# Altium PCB SmartCube.PcbDoc (part 2 of 2)
Units mm, origin at the board's own origin, x right, y up, seen from the top; angles counter-clockwise.
Board outline 65 x 65 mm, 2 copper layers (Top Layer, Bottom Layer); 92 components, 82 nets, 624 pads, 252 vias.
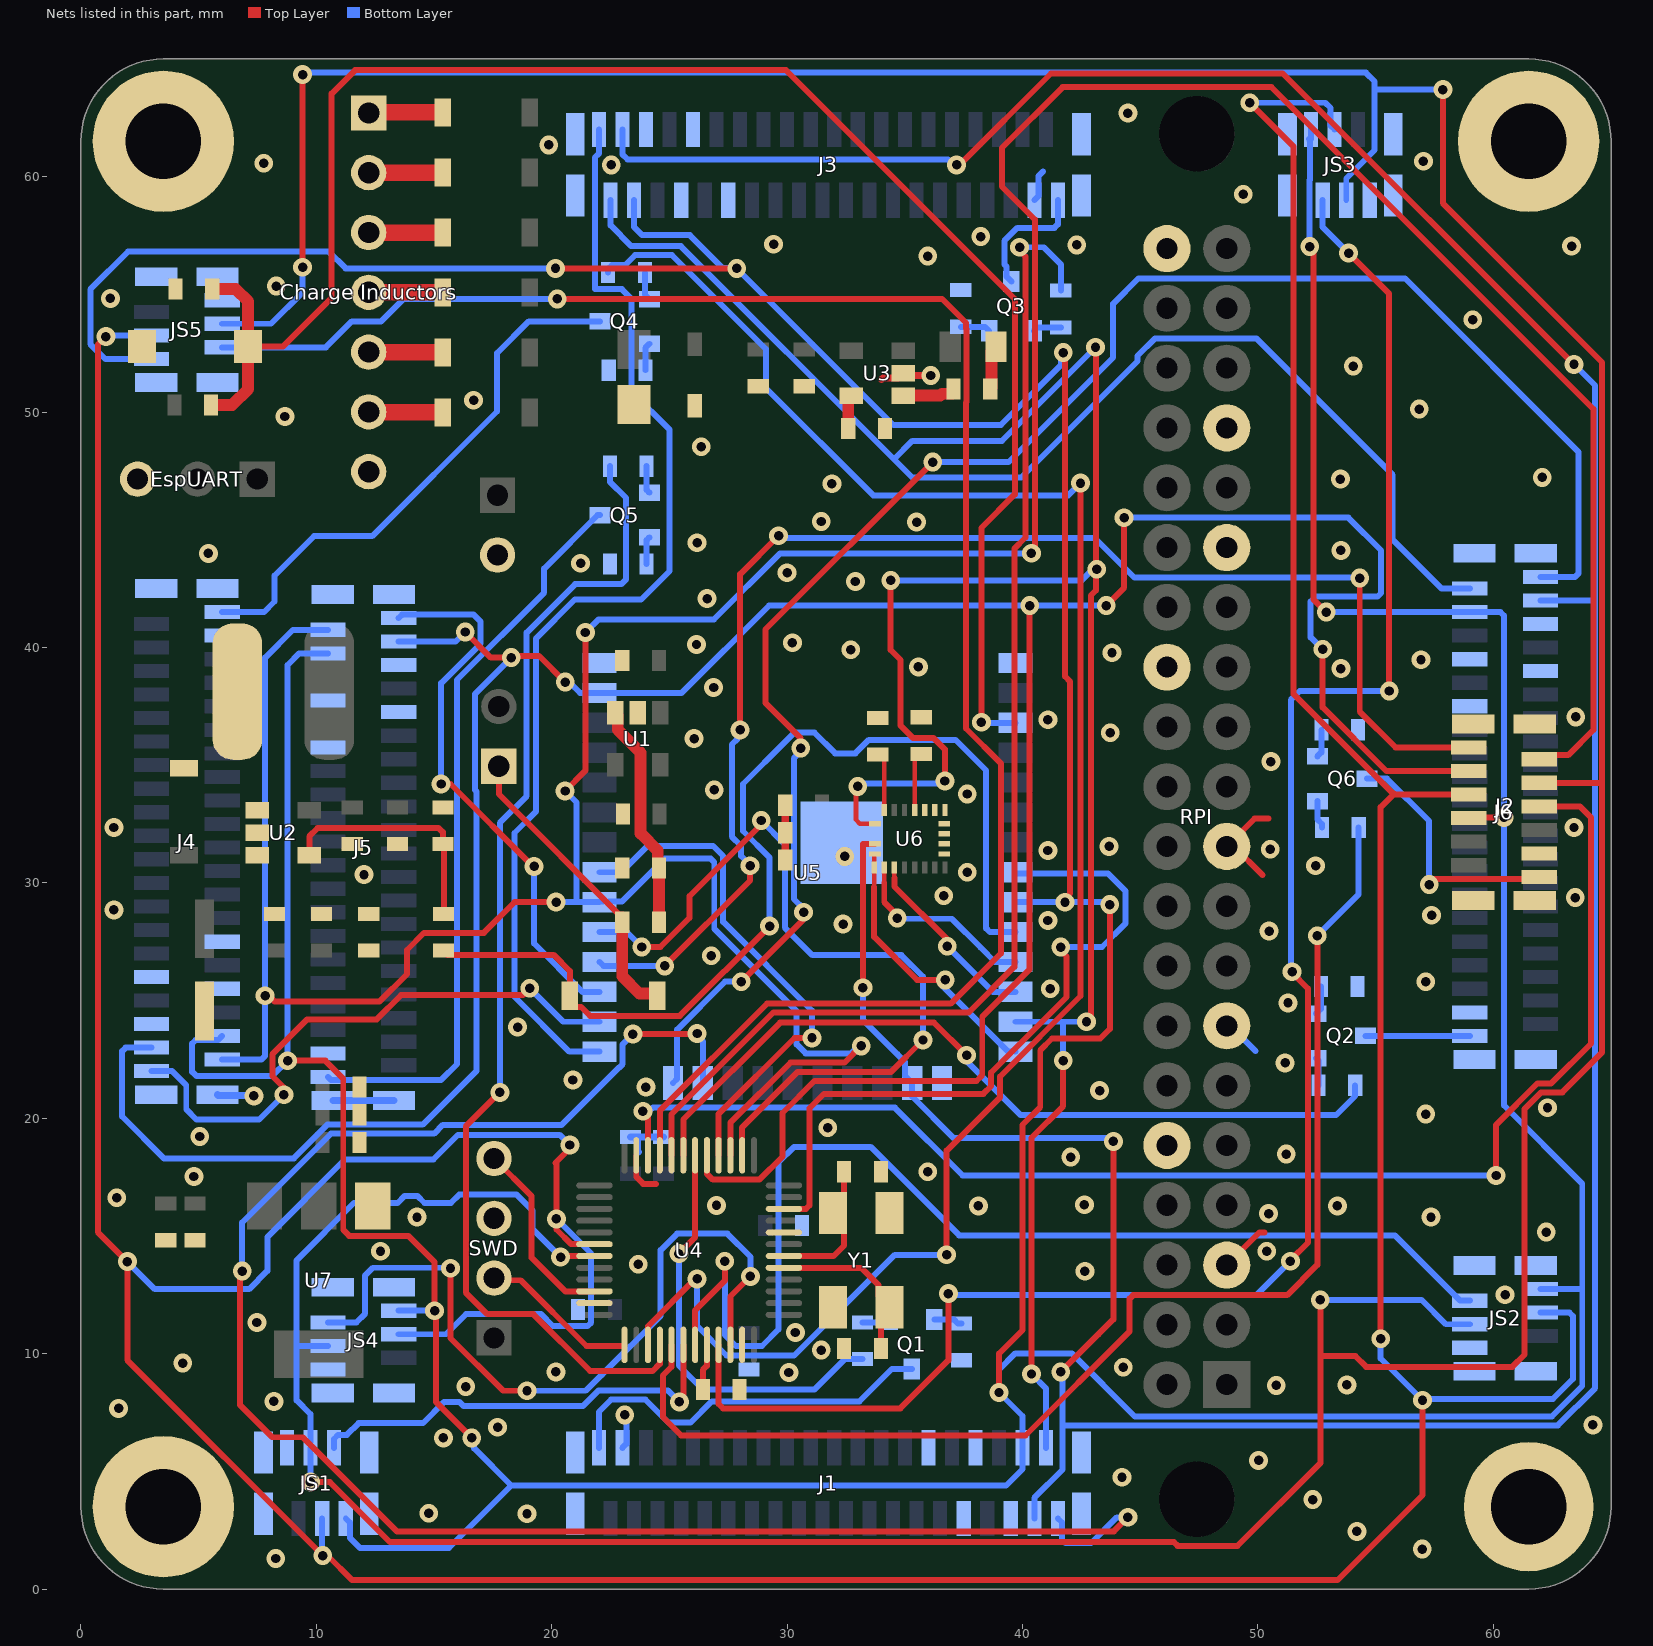
[diagram p2: the nets of this part, all layers, seen from the top]

## Via types
v1: diameter 0.8, hole 0.4, Top Layer to Bottom Layer, tented both sides, 248 vias
v2: diameter 0.8, hole 0.4, Top Layer to Bottom Layer, 4 vias

## Nets (pads, with @x,y where several pads share a name; then routed paths per layer and width w, separated by ;. In a path a pad name is that pad's centre, name@x,y a point inside that pad or via, vN(x,y) a via of type N, cw(c..) or ccw(c..) an arc to the next point about the centre after c; other vN are vias at no path point) (continued)
GND: "Charge Inductors.7" B1.2 C1.1 C2.1 C3.1 C4.1 C5.1 C6.1 C7.1 C8.2 C9.2 C10.2 C11.2 C12.2 C13.2 C14.2 C15.2 C16.2 C17.2 C18.2 C19.2 C20.1 C21.1 C22.1 C23.1 C24.1 C25.2 Cin.1 D4.1 EspUART.3 J1.3 J1.29 J1.32 J1.33 J1.36 J1.A J2.3 J2.29 J2.32 J2.33 J2.36 J2.A J3.3 J3.29 J3.32 J3.33 J3.36 J3.A J4.3 J4.29 J4.32 J4.33 J4.36 J4.A J5.3 J5.29 J5.32 J5.33 J5.36 J5.A J6.3 J6.A JS1.6 JS1.A JS2.6 JS2.A JS3.6 JS3.A JS4.6 JS4.A JS5.6 JS5.A Li-Po.2 pad.A@3.5,3.5 pad.A@3.5,61.5 pad.A@61.5,3.5 pad.A@61.5,61.5 R2.2 R3.2 R7.1 R8.1 R11.1 R12.1 R15.1 R16.1 R19.1 R20.1 R21.2 RPI.5 RPI.10 RPI.13 RPI.19 RPI.26 RPI.29 RPI.33 RPI.40 SWD.3 U1.2 U2.2 U3.2 U4.8 U4.23 U4.35 U4.47 U5.1 U5.15 U5.38 U5.39 U6.14 U6.15 U6.16 U6.17 U6.18 U6.19 U6.20 U7.1 Y1.GND | length 23.7
  Top Layer w0.254: U4.23@23.59,18.424 23.59,17.509 23.884,17.215 24.41,17.215 24.425,17.2 ; RPI.5@48.675,13.765 50.06,15.15 50.275,15.15 ; 50.2,30.325 48.98,31.545 RPI.19@48.675,31.545 49.855,32.725 50.45,32.725
  Top Layer w0.3: C8.2@29.92,31.025 C9.2@29.92,32.125 C10.2@29.92,33.25 ; 34,51.375 34.075,51.45 34.725,51.45 U3.2@34.925,51.65 35.025,51.55 v1(36.1,51.55)
  Bottom Layer w0.254: J1.3@23,6 23.173,6.173 23.173,7.327 v1(23.1,7.4) ; J3.3@40.5,59 40.673,59.173 40.673,60.023 40.875,60.225 ; RPI.13@48.675,23.925 48.825,23.925 49.9,22.85
  Bottom Layer w0.3: J4.A@5.8,21 5.825,20.975 7.325,20.975 v1(7.35,20.95) ; J5.A@10.7,20.75 J5.A@13.3,20.75 ; C17.2@23.35,19.205 C17.2@23.5,19.205 ; 23.675,18.575 23.65,18.6 23.65,19.055 C17.2@23.5,19.205 ; C19.2@24.75,19.205 C17.2@23.5,19.205
  other v1: 8.275,1.3 56.975,1.7 54.2,2.45 18.95,3.2 14.775,3.225 52.325,3.8 44.225,4.75 50.025,5.467 15.4,6.425 17.7,6.875 64.225,6.975 1.6,7.675 8.2,7.975 16.35,8.6 50.775,8.65 53.775,8.675 30.075,9.2 20.175,9.225 44.275,9.425 4.325,9.6 31.45,10.15 30.35,10.9 7.475,11.325 60.5,12.5 42.65,13.5 23.675,13.8 12.725,14.35 50.375,14.35 62.249,15.167 14.275,15.8 57.35,15.8 50.45,15.95 38.125,16.275 53.375,16.275 27,16.3 42.625,16.325 1.525,16.625 4.8,17.525 35.975,17.725 42.05,18.35 51.2,18.475 5.05,19.225 31.725,19.6 57.125,20.175 62.3,20.45 43.275,21.175 20.9,21.625 51.15,22.35 18.55,23.875 51.275,24.9 41.175,25.5 57.125,25.8 50.475,27.95 32.375,28.25 41.075,28.4 57.375,28.625 1.4,28.85 63.475,29.375 36.65,29.45 12.025,30.35 37.65,30.45 52.45,30.725 32.45,31.125 41.075,31.375 50.525,31.425 43.675,31.55 1.4,32.35 63.425,32.35 37.65,33.775 26.9,33.95 50.55,35.15 26.05,36.125 43.725,36.375 41.075,36.925 63.5,37.05 26.875,38.3 53.525,39.1 35.575,39.175 56.925,39.475 43.8,39.775 32.7,39.9 26.15,40.125 30.225,40.2 26.6,42.075 32.9,42.8 30,43.175 21.225,43.575 5.415,43.997 53.525,44.125 26.175,44.45 35.5,45.325 31.45,45.35 31.9,46.95 53.5,47.15 62.075,47.225 26.35,48.525 8.667,49.812 56.85,50.125 16.682,50.501 54.05,51.95 59.124,53.923 1.25,54.825 8.3,55.35 35.975,56.625 63.325,57.05 42.3,57.1 29.425,57.125 38.225,57.45 49.375,59.25 22.525,60.5 7.766,60.565 57.025,60.65 19.875,61.35 44.475,62.7
  other v2: 24,21.325 26.775,26.9
HSPI_CS_A/G: U5.11 U6.7 | length 8.2
  Top Layer w0.2: 34.125,30.011 U6.7@34.125,30.651
  Top Layer w0.254: 34.125,30.011 34.125,29.178 34.675,28.628 v1(34.675,28.5)
  Bottom Layer w0.254: v1(34.675,28.5) 34.7,28.475 36.995,28.475 38.216,27.253 38.83,26.64 U5.11@39.695,26.64
HSPI_CS_LCD1: J1.40 U5.23 | length 77.6
  Top Layer w0.254: v1(6.851,13.506) 6.75,13.405 6.75,7.825 8.125,6.45 9.425,6.45 13.421,2.454 43.879,2.454 v1(44.475,3.05) ; v1(23.45,23.575) 26.15,23.575 v1(26.175,23.6)
  Bottom Layer w0.254: v1(6.851,13.506) 6.851,15.573 10.626,19.347 15.007,19.347 15.378,19.719 20.419,19.719 22.848,22.148 22.864,22.148 23.012,22.296 23.012,23.137 v1(23.45,23.575) ; v1(26.175,23.6) 26.175,23.5 26.42,23.255 U5.23@26.42,21.5 ; J1.40@41.5,3 41.673,2.827 41.673,2.099 41.822,1.95 42.906,1.95 44.006,3.05 v1(44.475,3.05)
HSPI_CS_LCD2: J2.40 U5.24 | length 74.6
  Top Layer w0.254: v1(28.05,25.8) v2@30.725,28.475 ; v1(30.575,35.725) 30.575,36.15 29.076,37.649 29.076,40.76 v1(36.188,47.872)
  Bottom Layer w0.254: U5.24@25.15,21.5 25.325,21.675 25.325,23.765 27.36,25.8 v1(28.05,25.8) ; v1(30.575,35.725) 30.575,35.577 30.285,35.287 30.285,29.313 30.7,28.898 v2(30.7,28.75) ; v1(36.188,47.872) 39.405,47.872 43.85,52.317 43.85,54.6 44.92,55.67 56.254,55.67 63.625,48.299 63.625,43.149 63.476,43 J2.40@62,43
HSPI_CS_LCD3: J3.40 U5.25 | length 47.9
  Bottom Layer w0.254: J3.40@22,62 22,60.978 21.837,60.815 21.837,55.223 22.98,55.223 23.386,54.817 23.386,50.873 25.012,49.247 25.012,43.249 23.801,42.038 20.985,42.038 19.323,40.376 19.323,33.023 18.416,32.116 18.416,25.164 20.751,22.83 U5.25@22.035,22.83
HSPI_CS_M: U5.12 U6.8 | length 8
  Top Layer w0.2: 34.555,30.201 U6.8@34.555,30.651
  Top Layer w0.254: 34.555,30.201 34.555,29.845 36.8,27.6 v1(36.8,27.309)
  Bottom Layer w0.254: v1(36.8,27.309) 38.74,25.37 U5.12@39.695,25.37
HSPI_MISO: U5.14 U6.5 U6.6 | length 11.9
  Top Layer w0.2: 33.695,29.829 U6.5@33.695,31.211
  Top Layer w0.254: 33.695,29.829 33.695,27.705 35.524,25.876 v1(36.717,25.876)
  Bottom Layer w0.254: v1(36.717,25.876) 36.53,25.688 39.388,22.83 U5.14@39.695,22.83
HSPI_MOSI: J1.38 J2.38 J3.38 U5.16 U6.4 | length 156.8
  Top Layer w0.254: v1(33.216,25.545) 33.216,31.656 U6.4@33.73,31.656 ; v1(37.2,60.5) 37.325,60.5 41.207,64.382 51.05,64.382 63.407,52.025 v1(63.425,52.025) ; v1(41.625,9.225) 43.221,10.821 43.859,11.459 v1(43.859,19.018)
  Bottom Layer w0.254: J3.38@23,62 23,60.947 23.222,60.725 36.827,60.725 37.052,60.5 v1(37.2,60.5) ; v1(33.216,25.545) 33.216,24.184 34.68,22.72 35.012,22.388 35.012,21.798 U5.16@35.31,21.5 35.31,20.923 37.063,19.17 43.706,19.17 v1(43.859,19.018) ; J1.38@40.5,3 40.5,3.879 41.7,5.079 41.7,6.953 ; v1(41.625,9.225) 41.7,9.15 41.7,6.953 ; J2.38@62,42 64.321,42 ; v1(63.425,52.025) 64.321,51.129 64.321,42 ; 41.7,6.953 62.739,6.953 64.321,8.534 64.321,42
HSPI_SCLK: J1.39 J2.39 J3.39 U5.13 U6.2 | length 137
  Top Layer w0.2: v2@32.925,34.025 32.925,32.675 33.084,32.516 U6.2@33.73,32.516
  Top Layer w0.254: v2@32.925,34.025 v2(33,34.1) ; v1(34.4,42.85) 34.4,39.894 34.825,39.469 34.825,36.675 35.35,36.15 36.225,36.15 36.7,35.675 v1(36.7,34.325) ; v1(40.379,9.137) 40.379,19.165 41.725,20.512 v1(41.725,22.452) ; v1(42.716,24.1) 42.902,24.286 42.902,42.208 43.114,42.42 43.114,52.736 v1(43.1,52.75)
  Bottom Layer w0.254: J3.39@22.5,59 22.5,57.928 23.378,57.05 25.486,57.05 34.539,47.997 ; v2(33,34.1) 33.112,34.212 36.588,34.212 v1(36.7,34.325) ; v1(34.4,42.85) 42.513,42.85 42.988,43.325 v1(43.15,43.325) ; U5.13@39.695,24.1 v1(42.716,24.1) ; v1(40.379,9.137) 41,8.516 J1.39@41,6 ; v1(41.725,22.452) 41.725,24.1 ; v1(43.1,52.75) 39.125,48.775 35.316,48.775 34.539,47.997 ; J2.39@59,42.5 57.8,42.5 55.725,44.575 55.725,47.334 49.929,53.13 45.855,53.13 45.842,53.117 45.616,53.117 44.883,52.384 44.883,52.158 39.945,47.22 35.316,47.22 34.539,47.997
INT_Touch: U4.10 U5.8 | length 30.3
  Top Layer w0.254: U4.10@29.865,16.149 U4.10@30.513,16.149 ; U4.10@30.513,16.149 30.801,16.149 30.95,16.298 30.95,20.425 31.564,21.039 38.337,21.039 38.667,21.369 38.667,21.942 41.875,25.15 41.875,26.873 41.624,27.125 v1(41.624,27.273)
  Bottom Layer w0.254: U5.8@39.695,30.45 39.745,30.4 43.625,30.4 44.367,29.658 44.367,28.263 43.376,27.273 v1(41.624,27.273)
INT_Touch1: JS1.2 U4.42 | length 18.7
  Top Layer w0.254: v1(25.425,7.95) 25.425,8.098 25.6,8.273 25.6,9.716 25.59,9.726 U4.42@25.59,10.374
  Bottom Layer w0.254: JS1.2@10.75,6 10.75,6.377 10.923,6.55 11.3,6.55 11.8,7.05 14.534,7.05 15.434,7.95 16.078,7.95 16.255,7.773 21.323,7.773 21.981,8.431 24.944,8.431 v1(25.425,7.95)
INT_Touch2: JS2.2 U4.43 | length 49.4
  Top Layer w0.254: U4.43@26.09,10.374 26.09,11.84 27.35,13.1 v1(27.35,13.925)
  Bottom Layer w0.254: v1(27.35,13.925) 27.35,10.799 27.821,10.328 28.929,10.328 29.635,11.033 29.635,18.129 30.295,18.789 33.546,18.789 37.305,15.03 55.811,15.03 58.591,12.25 JS2.2@59,12.25
INT_Touch3: JS3.2 U4.45 | length 82
  Top Layer w0.254: U4.45@27.09,10.374 27.09,7.86 27.275,7.675 34.808,7.675 36.85,9.717 v1(36.85,12.55) ; v1(51.375,13.925) 51.375,13.965 52.125,14.715 52.125,25.503 51.45,26.178 v1(51.45,26.225) ; v1(53.85,56.75) 55.575,55.025 v1(55.575,38.15)
  Bottom Layer w0.254: v1(36.85,12.55) 36.9,12.5 49.95,12.5 v1(51.375,13.925) ; v1(51.45,26.225) 51.4,26.275 51.4,37.775 51.775,38.15 v1(55.575,38.15) ; JS3.2@52.75,59 52.75,57.85 v1(53.85,56.75)
INT_Touch4: JS4.2 U4.46 | length 32.7
  Top Layer w0.254: v1(15.701,13.626) 15.701,10.662 17.939,8.425 v1(18.95,8.425) ; U4.46@27.59,10.374 27.59,12.431 v1(28.441,13.282)
  Bottom Layer w0.254: JS4.2@10.5,11.325 11.7,11.325 12.075,11.7 12.075,13.325 12.4,13.65 15.677,13.65 v1(15.701,13.626) ; v1(18.95,8.425) 21.439,8.425 22.118,9.104 22.129,9.104 24.625,11.6 24.625,14.397 25.328,15.1 27.456,15.1 28.441,14.115 v1(28.441,13.282)
INT_Touch5: JS5.2 U4.21 | length 79.4
  Top Layer w0.254: v1(20.237,54.806) 36.58,54.806 37.598,53.788 37.598,53.558 37.627,53.529 37.627,50.426 37.598,50.397 37.598,36.555 39.075,35.078 39.075,27 36.945,24.87 29.145,24.87 24.59,20.315 U4.21@24.59,18.424
  Bottom Layer w0.254: JS5.2@6,52.75 10.408,52.75 11.508,53.85 12.753,53.85 13.709,54.806 v1(20.237,54.806)
INT_Touch6: J6.7 U4.22 | length 59.1
  Top Layer w0.254: v1(23.875,20.3) 24.09,20.085 U4.22@24.09,18.424 ; v1(60.115,17.57) 60.115,19.723 61.873,21.481 62.456,21.481 64.152,23.177 64.152,32.773 63.675,33.25 J6.7@61.95,33.25
  Bottom Layer w0.254: v1(23.875,20.3) 23.979,20.404 24.251,20.404 24.297,20.45 34.575,20.45 37.455,17.57 v1(60.115,17.57)
LCD_LED_PWM1: R9.1 U4.18 | length 18
  Top Layer w0.254: v1(25.4,14.25) 26.09,14.94 26.09,17.776 U4.18@26.09,18.424
  Bottom Layer w0.254: v1(25.4,14.25) 25.4,9.5 26.425,8.475 31.159,8.475 32.454,9.77 R9.1@33.2,9.77
LCD_LED_PWM2: R10.1 U4.19 | length 34.3
  Top Layer w0.254: U4.19@25.59,18.424 25.59,19.949 29.705,24.064 36.236,24.064 v1(37.625,22.675)
  Bottom Layer w0.254: v1(37.625,22.675) 37.625,22.424 39.916,20.133 53.315,20.133 54.13,20.948 R10.1@54.13,21.4
LCD_LED_PWM3: R13.1 U4.20 | length 52.9
  Top Layer w0.254: U4.20@25.09,18.424 25.09,20.165 29.416,24.491 37.711,24.491 39.651,26.431 39.651,44.198 40.125,44.672 40.125,56.602 39.875,56.852 v1(39.875,57)
  Bottom Layer w0.254: v1(39.875,57) 40.9,57 41.625,56.275 R13.1@41.625,55.155
LCD_LED_PWM4: R14.1 U4.39 | length 79.6
  Top Layer w0.254: U4.39@24.09,10.374 24.09,11.165 26.1,13.175 v1(26.175,13.175) ; v1(36.775,14.2) 36.775,18.621 39.046,20.891 39.046,21.776 42.462,25.192 v1(42.462,46.983)
  Bottom Layer w0.254: R14.1@22.395,55.925 22.395,56.075 22.568,56.248 23.123,56.248 23.546,56.671 25.103,56.671 29.098,52.676 29.098,51.022 33.658,46.462 41.941,46.462 v1(42.462,46.983) ; v1(26.175,13.175) 26.175,11.174 27.425,9.924 30.299,9.924 34.575,14.2 v1(36.775,14.2)
LCD_LED_PWM5: R17.1 U4.40 | length 49.9
  Top Layer w0.254: v1(17.797,21.099) 16.353,19.655 16.353,12.589 17.265,11.677 19.221,11.677 21.634,9.264 24.285,9.264 24.59,9.569 U4.40@24.59,10.374
  Bottom Layer w0.254: v1(17.797,21.099) 17.797,32.547 18.933,33.683 18.933,40.627 20.996,42.69 22.955,42.69 23.158,42.894 23.158,46.348 22.47,47.036 R17.1@22.47,47.7
LCD_LED_PWM6: R18.1 U4.41 | length 54.5
  Top Layer w0.254: U4.41@25.09,10.374 25.09,9.443 24.725,9.078 24.725,7.3 25.5,6.525 40.125,6.525 44.55,10.95 44.55,12.341 44.699,12.49 51.24,12.49 52.52,13.77 v1(52.52,27.755)
  Bottom Layer w0.254: v1(52.52,27.755) 54.28,29.515 R18.1@54.28,32.35
NetB1_1: B1.1 C25.1 R22.1 U5.3 | length 73.9
  Top Layer w0.254: B1.1@7.1,52.775 8.575,52.775 10.65,54.85 10.65,63.525 11.65,64.525 29.949,64.525 39.675,54.799 39.675,46.5 38.25,45.075 v1(38.25,36.825)
  Top Layer w0.5: R22.1@5.53,50.3 6.425,50.3 7.1,50.975 7.1,51.87 B1.1@7.1,52.775 7.1,54.7 6.575,55.225 C25.1@5.58,55.225
  Bottom Layer w0.254: v1(38.25,36.825) 38.275,36.8 U5.3@39.695,36.8
NetC11_1: C11.1 U6.21 | length 2.6
  Top Layer w0.2: U6.21@35.415,33.091 C11.1@35.415,35.275
  Top Layer w0.254: C11.1@35.415,35.275 35.615,35.475 C11.1@35.7,35.475
NetC12_1: C12.1 U6.24 | length 2.5
  Top Layer w0.2: U6.24@34.125,33.091 C12.1@34.125,35.25
  Top Layer w0.254: C12.1@33.85,35.45 33.925,35.45 C12.1@34.125,35.25
NetC13_1: C13.1 U4.5 Y1.1 | length 7.4
  Top Layer w0.254: U4.5@29.865,13.649 33.151,13.649 33.875,12.925 33.875,12.897 33.877,12.895 33.877,12.448 Y1.1@34.35,11.975 33.98,11.605 C13.1@33.98,10.225
NetC15_1: C15.1 U4.6 Y1.2 | length 6.3
  Top Layer w0.254: U4.6@29.865,14.149 31.974,14.149 32.418,14.593 32.418,15.507 31.95,15.975 32.42,16.445 C15.1@32.42,17.725
NetCf_1: Cf.1 R1.1 R2.1 U2.3
"NetCharge Inductors_1": "Charge Inductors.1" D1.1 | length 3.2
  Top Layer w0.7: 12.225,62.705 12.245,62.725 D1.1@15.375,62.725
"NetCharge Inductors_2": "Charge Inductors.2" D3.1 | length 3.2
  Top Layer w0.7: 12.225,60.165 12.23,60.17 15.37,60.17 D3.1@15.375,60.175
"NetCharge Inductors_3": "Charge Inductors.3" D5.1 | length 3.2
  Top Layer w0.7: 12.225,57.625 D5.1@15.375,57.625
"NetCharge Inductors_4": "Charge Inductors.4" D6.1 | length 3.2
  Top Layer w0.7: 12.225,55.085 12.23,55.08 15.37,55.08 D6.1@15.375,55.075
"NetCharge Inductors_5": "Charge Inductors.5" D9.1 | length 3.2
  Top Layer w0.7: 12.225,52.545 12.235,52.535 15.365,52.535 D9.1@15.375,52.525
"NetCharge Inductors_6": "Charge Inductors.6" D10.1 | length 3.2
  Top Layer w0.7: 12.225,50.005 12.24,49.99 15.36,49.99 D10.1@15.375,49.975
NetD2_1: D2.1 L1.2 U2.1
NetD7_2: D7.2 Pwr_But.1 R4.1 | length 13
  Top Layer w0.254: Pwr_But.1@17.75,34.95 17.75,33.775 R4.1@23,28.525
  Top Layer w0.5: R4.1@23,28.525 22.995,28.52 R4.1@22.995,28.325 22.995,26.03 23.725,25.3 24.375,25.3 D7.2@24.475,25.2 D7.2@24.55,25.275
NetD8_2: D8.2 R6.2 | length 1.9
  Top Layer w0.5: R6.2@38.63,50.975 38.68,51.025 38.68,52.58 D8.2@38.875,52.775
NetJ1_1: J1.1 Q1.3 | length 16.4
  Bottom Layer w0.254: J1.1@22,6 22,7.525 22.527,8.052 23.973,8.052 24.95,7.075 25.9,7.075 26.8,7.975 33.073,7.975 34.453,9.355 Q1.3@35.299,9.355
NetJ2_1: J2.1 Q2.3 | length 4.4
  Bottom Layer w0.254: Q2.3@54.57,23.5 J2.1@59,23.5
NetJ3_1: J3.1 Q3.3 | length 5.4
  Bottom Layer w0.254: Q3.3@39.525,55.55 39.321,55.754 39.321,56.177 39.223,56.274 39.223,57.27 39.778,57.825 41.351,57.825 41.5,57.974 J3.1@41.5,59
NetJ4_1: J4.1 Q4.3 | length 23.3
  Bottom Layer w0.254: J4.1@6,41.5 7.775,41.5 8.225,41.95 8.225,43.05 9.9,44.725 12.375,44.725 17.675,50.025 17.675,52.5 19.025,53.85 Q4.3@22.05,53.85
NetJ5_1: J5.1 Q5.3 | length 31.7
  Bottom Layer w0.254: J5.1@10.5,21.75 10.62,21.63 15.305,21.63 15.975,22.3 15.975,38.625 19.675,42.325 19.675,43.35 21.95,45.625 Q5.3@22.05,45.625
NetJ6_1: J6.1 Q6.3 | length 10.9
  Top Layer w0.254: v1(57.275,29.925) 57.512,30.162 61.863,30.162 J6.1@61.95,30.25
  Bottom Layer w0.254: Q6.3@54.625,34.425 55.475,34.425 57.275,32.625 v1(57.275,29.925)
NetQ1_1: Q1.1 R9.2 | length 1.2
  Bottom Layer w0.254: R9.2@33.2,11.33 34.224,11.33 Q1.1@34.349,11.455
NetQ1_2: Q1.2 R11.2 | length 1.2
  Bottom Layer w0.254: Q1.2@36.249,11.455 37.075,11.455 37.25,11.28 R11.2@37.4,11.28
NetQ2_1: Q2.1 R10.2 | length 1.2
  Bottom Layer w0.254: Q2.1@52.47,22.549 52.57,22.449 R10.2@52.57,21.4
NetQ2_2: Q2.2 R12.2 | length 1.2
  Bottom Layer w0.254: Q2.2@52.47,24.449 52.67,24.649 R12.2@52.67,25.6
NetQ3_1: Q3.1 R13.2 | length 1.2
  Bottom Layer w0.254: Q3.1@40.475,53.45 40.62,53.595 R13.2@41.625,53.595
NetQ3_2: Q3.2 R15.2 | length 1.3
  Bottom Layer w0.254: R15.2@37.375,53.62 37.475,53.62 38.405,53.62 Q3.2@38.575,53.45
NetQ4_1: Q4.1 R14.2 | length 1.2
  Bottom Layer w0.254: R14.2@23.955,55.925 23.955,54.995 Q4.1@24.15,54.8
NetQ4_2: Q4.2 R16.2 | length 1.2
  Bottom Layer w0.254: R16.2@23.98,51.775 23.98,52.73 Q4.2@24.15,52.9
NetQ5_1: Q5.1 R17.2 | length 1.2
  Bottom Layer w0.254: R17.2@24.03,47.7 24.03,46.695 Q5.1@24.15,46.575
NetQ5_2: Q5.2 R19.2 | length 1.2
  Bottom Layer w0.254: R19.2@24.03,43.55 24.03,44.555 Q5.2@24.15,44.675
NetQ6_1: Q6.1 R18.2 | length 1.2
  Bottom Layer w0.254: Q6.1@52.525,33.475 52.525,32.695 52.72,32.5 R18.2@52.72,32.35
NetQ6_2: Q6.2 R20.2 | length 1.2
  Bottom Layer w0.254: Q6.2@52.525,35.375 52.695,35.545 R20.2@52.695,36.5
NetR3_1: R3.1 R4.2 U1.3 | length 9.7
  Top Layer w0.5: U1.3@22.7,37.225 22.8,37.125 22.8,36.5 23.775,35.525 23.775,32.1 24.505,31.37 24.505,30.675 R3.1@24.555,30.625 R4.2@24.555,28.325
NetR5_1: R5.1 R7.2 U2.4 | length 10.2
  Top Layer w0.254: U2.4@9.7,31.175 9.7,31.975 10.05,32.325 15.2,32.325 15.375,32.15 R7.2@15.375,31.645 15.425,31.595 R5.1@15.425,28.68
NetR6_1: R6.1 U3.1 | length 2.3
  Top Layer w0.5: U3.1@34.925,50.7 36.5,50.7 36.575,50.775 37.02,50.775 37.07,50.825 R6.1@37.07,50.975
NetR8_2: R8.2 U3.5 | length 1.5
  Top Layer w0.5: R8.2@32.595,49.3 32.595,50.6 32.695,50.7 U3.5@32.725,50.7
NetR21_1: R21.1 U4.44 | length 2
  Top Layer w0.254: R21.1@26.42,8.475 26.42,9.315 26.59,9.485 U4.44@26.59,10.374
Reset_LCD&Touch: J1.37 J2.37 J3.37 J4.37 J5.37 J6.6 JS1.1 JS2.1 JS3.1 JS4.1 JS5.1 U5.9 | length 289.4
  Top Layer w0.254: v1(8.781,22.447) 10.382,22.447 11.144,21.685 11.144,15.258 11.398,15.004 13.912,15.004 15.025,13.892 v1(15.025,11.825) 15.075,11.775 15.075,7.95 v1(16.6,6.425) ; v1(20.161,56.102) v1(27.857,56.102) ; v1(39,8.35) 39,10 40,11 40,19.722 40.752,20.474 40.752,22.888 41.25,23.386 43.3,23.386 43.706,23.793 v1(43.706,29.076) ; v1(41.725,52.525) 41.801,52.449 41.801,38.774 42.025,38.55 42.025,29.549 41.801,29.325 v1(41.801,29.178) ; v1(52.2,57.025) 52.368,56.857 52.368,42.033 v1(52.901,41.5) ; J6.6@58.95,32.75 58.975,32.775 v1(60.45,32.775)
  Bottom Layer w0.254: JS5.1@3,52.25 1.034,52.25 0.399,52.885 0.399,55.213 2,56.813 10.534,56.813 11.245,56.102 v1(20.161,56.102) ; J4.37@6,23.5 5.827,23.327 4.874,23.327 4.725,23.178 4.725,21.975 4.9,21.8 8.135,21.8 v1(8.781,22.447) 8.781,39.256 9.275,39.75 J5.37@10.5,39.75 ; JS1.1@11.25,3 11.423,2.827 11.423,2.177 11.85,1.75 15.634,1.75 18.284,4.4 ; JS4.1@13.5,11.825 v1(15.025,11.825) ; v1(16.6,6.425) 16.704,6.321 16.704,5.98 18.284,4.4 ; J3.37@23.5,59 23.5,57.851 23.84,57.51 25.865,57.51 27.267,56.108 27.85,56.108 34.508,49.45 39.075,49.45 41.639,52.014 41.639,52.439 v1(41.725,52.525) ; U5.9@39.695,29.18 v1@41.799,29.18 ; v1(41.801,29.178) v1@41.799,29.18 ; v1(43.706,29.076) 43.602,29.18 v1@41.799,29.18 ; v1(52.2,57.025) 52.198,57.027 52.198,59.854 52.2,59.856 52.2,61.553 52.165,61.588 52.25,61.588 JS3.1@52.25,62 ; v1(52.901,41.5) 60.301,41.5 60.45,41.351 v1(60.45,32.775) 60.45,20.55 63.775,17.225 63.775,12.75 ; JS2.1@62,12.75 63.775,12.75 ; 18.284,4.4 39.302,4.4 40,5.098 40,7.35 v1(39,8.35) 39,9.325 39.693,10.018 42.089,10.018 44.773,7.334 62.484,7.334 63.775,8.625 63.775,12.75
SHDN: D7.1 R5.2 U5.10 | length 44.2
  Top Layer w0.254: R5.2@15.4,27.12 15.576,26.944 20.081,26.944 20.775,26.25 D7.1@20.775,25.2 20.775,24.95 20.998,24.727 21.248,24.727 21.627,24.348 25.44,24.348 v1(29.254,28.162)
  Bottom Layer w0.254: v1(29.254,28.162) 29.254,31.071 28.125,32.2 28.125,34.197 29.923,35.995 30.305,36.377 31.16,36.377 32.039,35.498 32.895,35.498 33.472,36.075 37.15,36.075 38.45,34.775 38.45,28.069 38.609,27.91 U5.10@39.695,27.91
STM_I2C_SCL: J6.8 JS1.3 JS2.3 JS3.3 JS4.3 JS5.3 U4.30 | length 231.8
  Top Layer w0.254: v1(1.06,53.206) 0.723,52.869 0.723,15.163 v1(1.974,13.912) 1.974,9.726 v1(10.275,1.425) 10.474,1.425 11.52,0.379 53.379,0.379 56.991,3.991 v1(56.991,8.019) ; v1(20.77,18.865) 20.77,18.717 20.161,18.108 20.2,18.068 v1(20.2,15.725) 20.2,15.275 20.826,14.649 U4.30@21.815,14.649 ; v1(49.648,63.137) 51.513,61.272 51.513,38.012 55.763,33.762 ; v1(55.213,10.636) 55.213,33.213 55.786,33.786 ; 55.822,33.75 J6.8@58.95,33.75
  Bottom Layer w0.254: v1(1.06,53.206) 1.104,53.25 JS5.3@3,53.25 ; v1(1.974,13.912) 3.143,12.744 7.144,12.744 7.918,13.518 7.918,14.954 11.22,18.256 14.979,18.256 16.02,19.297 20.338,19.297 v1(20.77,18.865) ; JS1.3@10.25,3 10.25,1.45 v1(10.275,1.425) ; JS4.3@13.5,10.825 15.507,10.825 16.359,11.677 19.551,11.677 20.055,11.173 21.524,11.173 21.672,11.321 21.672,14.253 v1(20.2,15.725) ; v1(49.648,63.137) 52.863,63.137 53.085,62.915 53.085,62.165 JS3.3@53.25,62 ; v1(55.213,10.636) 55.213,9.797 v1(56.991,8.019) ; v1@56.991,8.075 62.528,8.075 63.375,8.922 63.375,11.601 63.226,11.75 JS2.3@62,11.75
STM_I2C_SDA: J6.9 JS1.4 JS2.4 JS3.4 JS4.4 JS5.4 U4.31 | length 223.4
  Top Layer w0.254: v1(9.416,56.152) v1(9.416,64.331) ; v1(9.75,4.55) 10.574,4.55 13.124,2 46.424,2 46.586,1.838 49.133,1.838 52.647,5.352 52.647,9.9 ; v1(20.375,14.1) 20.424,14.149 21.167,14.149 U4.31@21.815,14.149 ; v1(52.647,12.287) 52.647,9.9 ; v1(57.854,63.696) 57.854,58.87 64.623,52.101 64.623,34.25 ; J6.9@61.95,34.25 64.623,34.25 ; 52.647,9.9 54.139,9.9 54.595,9.444 60.805,9.444 61.325,9.964 61.325,20.397 62.03,21.102 62.927,21.102 64.623,22.798 64.623,34.25
  Bottom Layer w0.254: JS5.4@6,53.75 8.075,53.75 9.416,55.091 v1(9.416,56.152) ; v1(9.416,64.331) 9.5,64.415 54.585,64.415 54.95,64.05 54.95,61.122 53.75,59.922 JS3.4@53.75,59 ; v1(9.75,4.55) 9.75,7.432 9.162,8.019 9.162,10.325 ; JS4.4@10.5,10.325 9.162,10.325 ; v1(20.375,14.1) 19.175,15.3 19.175,16.092 18.51,16.757 16.071,16.757 15.714,16.4 14.597,16.4 14.295,16.702 13.755,16.702 13.453,16.4 11.597,16.4 9.162,13.965 9.162,10.325 ; v1(52.647,12.287) 56.945,12.287 57.981,11.25 JS2.4@59,11.25 ; 54.975,63.696 v1(57.854,63.696)
SWCLK: SWD.2 U4.37 | length 6.8
  Top Layer w0.254: SWD.2@17.55,13.21 17.641,13.119 18.681,13.119 21.475,10.325 23.09,10.325 U4.37@23.09,10.374
SWDIO: SWD.4 U4.34 | length 8.1
  Top Layer w0.254: SWD.4@17.55,18.29 19.15,16.69 19.15,14.075 20.576,12.649 21.167,12.649 U4.34@21.815,12.649
VSPI_CS_LCD4: J4.40 U5.26 | length 25.1
  Top Layer w0.254: v1(8.625,21) 8.625,21.3 8.129,21.795 8.129,22.717 9.613,24.2 12.567,24.2 13.597,25.23 18.779,25.23 v1(19.068,25.52)
  Bottom Layer w0.254: J4.40@3,22 3.879,22 4.475,21.404 4.475,20.375 4.9,19.95 7.575,19.95 v1(8.625,21) ; v1(19.068,25.52) 20.488,24.1 U5.26@22.035,24.1
VSPI_CS_LCD5: J5.40 U5.27 | length 23.6
  Top Layer w0.254: v1(15.3,34.2) 15.697,34.2 19.197,30.7 v1(19.25,30.7)
  Bottom Layer w0.254: J5.40@13.5,41.25 13.645,41.395 16.681,41.395 16.977,41.099 16.977,40.163 15.3,38.486 v1(15.3,34.2) ; v1(19.25,30.7) 19.25,27.421 21.301,25.37 U5.27@22.035,25.37
VSPI_CS_LCD6: J6.12 U5.28 | length 60.1
  Top Layer w0.254: v1(24.8,26.475) 28.425,30.1 v1(28.425,30.725) ; v1(28,36.5) 28,43.113 v1(29.635,44.748) ; v1(54.324,42.944) 54.324,37.272 55.846,35.75 J6.12@58.95,35.75
  Bottom Layer w0.254: U5.28@22.035,26.64 22.2,26.475 v1(24.8,26.475) ; v1(28,36.5) 27.896,36.396 27.896,36.124 27.65,35.878 27.65,31.961 28.041,31.57 28.041,31.147 28.425,30.762 v1(28.425,30.725) ; v1(29.635,44.748) 29.733,44.65 40.103,44.65 40.105,44.652 40.645,44.652 40.647,44.65 43.068,44.65 44.748,42.97 54.298,42.97 v1(54.324,42.944)
VSPI_CS_STM: U4.14 U5.29 | length 34.8
  Top Layer w0.254: v1(23.825,27.275) 24.611,27.275 25.85,28.514 25.85,29.431 28.9,32.481 v1(28.9,32.65) ; U4.14@28.09,18.424 28.09,19.615 30.449,21.974 34.42,21.974 v1(35.772,23.326)
  Bottom Layer w0.254: U5.29@22.035,27.91 23.19,27.91 v1(23.825,27.275) ; v1(28.9,32.65) 29.906,31.644 29.906,28.094 31.068,26.931 34.853,26.931 35.772,26.012 v1(35.772,23.326)
VSPI_MISO: U4.16 U5.31 | length 22.3
  Top Layer w0.254: U4.16@27.09,18.424 27.09,20.19 30.312,23.412 v1(31.057,23.412)
  Bottom Layer w0.254: U5.31@22.035,30.45 22.957,30.45 24.082,31.575 26.85,31.575 27.283,31.142 27.283,28.342 31.057,24.568 v1(31.057,23.412)
VSPI_MOSI: J4.38 J5.38 J6.10 U4.17 U5.37 | length 141.2
  Top Layer w0.254: v1(16.325,40.656) 17.415,39.566 v1(18.281,39.566) ; v1@18.355,39.64 19.46,39.64 v1(20.575,38.525) ; U4.17@26.59,18.424 26.59,17.643 26.841,17.392 28.822,17.392 29.8,18.37 29.8,20.225 31.158,21.583 38.042,21.583 38.288,21.829 38.288,24.313 40.303,26.328 v1(40.303,41.776) ; v1(43.554,41.776) 44.316,42.538 v1(44.316,45.51) ; v1(52.749,39.922) 52.749,37.458 55.457,34.75 J6.10@58.95,34.75
  Bottom Layer w0.254: J4.38@3,23 1.899,23 1.75,22.851 1.75,20.075 3.525,18.3 9.042,18.3 10.469,19.726 14.519,19.726 16.808,22.015 16.808,33.877 16.732,33.953 16.732,38.017 v1(18.281,39.566) ; J5.38@13.5,40.25 15.919,40.25 v1(16.325,40.656) ; v1(20.575,38.525) 20.745,38.525 21.2,38.07 U5.37@22.035,38.07 25.522,38.07 29.228,41.776 v1(40.303,41.776) v1(43.554,41.776) ; v1(44.316,45.51) 53.841,45.51 55.225,44.126 55.225,42.306 55.076,42.157 52.444,42.157 52.241,41.954 52.241,40.43 v1(52.749,39.922)
VSPI_SCLK: J4.39 J5.39 J6.11 U4.15 U5.30 | length 163.4
  Top Layer w0.254: v1(7.825,25.207) 7.973,25.207 8.23,24.95 12.675,24.95 13.85,26.125 13.85,27.15 14.575,27.875 17.115,27.875 18.42,29.18 v1(20.186,29.18) ; v1(20.567,33.902) 21.431,34.766 v1(21.431,40.633) ; U4.15@27.59,18.424 27.59,19.815 30.145,22.37 32.445,22.37 v1(33.15,23.075) ; v1(40.375,44) 40.527,44.152 40.527,58.173 39.125,59.575 39.125,61.223 41.7,63.798 50.577,63.798 64.244,50.131 64.244,36.494 63.173,35.423 62.123,35.423 J6.11@61.95,35.25
  Bottom Layer w0.254: J4.39@6,22.5 7.676,22.5 7.825,22.649 7.825,39.565 9.01,40.75 J5.39@10.5,40.75 ; v1(20.186,29.18) 21.05,29.18 ; v1(20.567,33.902) 21.05,33.419 21.05,29.18 ; v1(21.431,40.633) 21.989,41.192 26.892,41.192 29.7,44 v1(40.375,44) ; v1(33.15,23.075) 33.043,23.075 32.728,22.76 30.787,22.76 30.405,23.142 30.405,24.545 26.904,28.046 26.904,30.876 26.755,31.025 24.8,31.025 22.992,29.217 22.072,29.217 U5.30@22.035,29.18 21.05,29.18
pads on no net: J1.5 J1.6 J1.7 J1.8 J1.9 J1.10 J1.11 J1.12 J1.13 J1.14 J1.15 J1.16 J1.17 J1.18 J1.19 J1.20 J1.21 J1.22 J1.23 J1.24 J1.25 J1.26 J1.27 J1.28 J1.30 J1.31 J1.34 J1.35 J2.5 J2.6 J2.7 J2.8 J2.9 J2.10 J2.11 J2.12 J2.13 J2.14 J2.15 J2.16 J2.17 J2.18 J2.19 J2.20 J2.21 J2.22 J2.23 J2.24 J2.25 J2.26 J2.27 J2.28 J2.30 J2.31 J2.34 J2.35 J3.5 J3.6 J3.7 J3.8 J3.9 J3.10 J3.11 J3.12 J3.13 J3.14 J3.15 J3.16 J3.17 J3.18 J3.19 J3.20 J3.21 J3.22 J3.23 J3.24 J3.25 J3.26 J3.27 J3.28 J3.30 J3.31 J3.34 J3.35 J4.5 J4.6 J4.7 J4.8 J4.9 J4.10 J4.11 J4.12 J4.13 J4.14 J4.15 J4.16 J4.17 J4.18 J4.19 J4.20 J4.21 J4.22 J4.23 J4.24 J4.25 J4.26 J4.27 J4.28 J4.30 J4.31 J4.34 J4.35 J5.5 J5.6 J5.7 J5.8 J5.9 J5.10 J5.11 J5.12 J5.13 J5.14 J5.15 J5.16 J5.17 J5.18 J5.19 J5.20 J5.21 J5.22 J5.23 J5.24 J5.25 J5.26 J5.27 J5.28 J5.30 J5.31 J5.34 J5.35 J6.5 RPI.2 RPI.8 RPI.11 RPI.12 RPI.14 RPI.15 RPI.16 RPI.17 RPI.18 RPI.20 RPI.21 RPI.22 RPI.23 RPI.24 RPI.25 RPI.27 RPI.28 RPI.30 RPI.31 RPI.32 RPI.34 RPI.35 RPI.36 RPI.37 RPI.38 RPI.39 U1.4 U4.2 U4.3 U4.4 U4.7 U4.11 U4.12 U4.13 U4.25 U4.26 U4.27 U4.28 U4.29 U4.32 U4.33 U4.38 U5.4 U5.5 U5.6 U5.7 U5.17 U5.18 U5.19 U5.20 U5.21 U5.22 U5.32 U6.9 U6.10 U6.11 U6.12 U6.13

## Polygon pours and split planes (outlines as drawn)
GND on Bottom Layer "Top Layer-No Net1" (solid, remove dead copper, pour order 1): 3.5,0 cw(c3.5,3.5) 0,3.5 0,61.5 cw(c3.5,61.5) 3.5,65 61.5,65 cw(c61.5,61.5) 65,61.5 65,3.5 cw(c61.5,3.5) 61.5,0
GND on Top Layer "Top Layer-No Net" (solid, remove dead copper, pour order 0): 3.5,0 cw(c3.5,3.5) 0,3.5 0,61.5 cw(c3.5,61.5) 3.5,65 61.5,65 cw(c61.5,61.5) 65,61.5 65,3.5 cw(c61.5,3.5) 61.5,0

## Other copper
Top Layer:
  rectangle net +12V: 6.125,26.8 10.725,27.95
  region net +12V: 6.45,26.775 6.45,32.125 3.775,32.125 3.775,26.775
  region net NetCf_1: 12.675,28.375 12.675,29.4 7.85,29.4 7.85,28.375
  region net NetCf_1: 8,28.375 8,31.525 7,31.525 7,28.375
  region net +V_Bat: 13.975,32.7 13.975,41.025 9.15,41.025 9.15,32.7
  region net NetD2_1: 8.025,32.7 8.025,41.025 3.75,41.025 3.75,32.7

## Silkscreen, mask and mechanical layers (free items; w line width, h text height)
Mechanical 1:
  the board outline again, w0.1